# KiCad board DQBSC.kicad_pcb (continued)
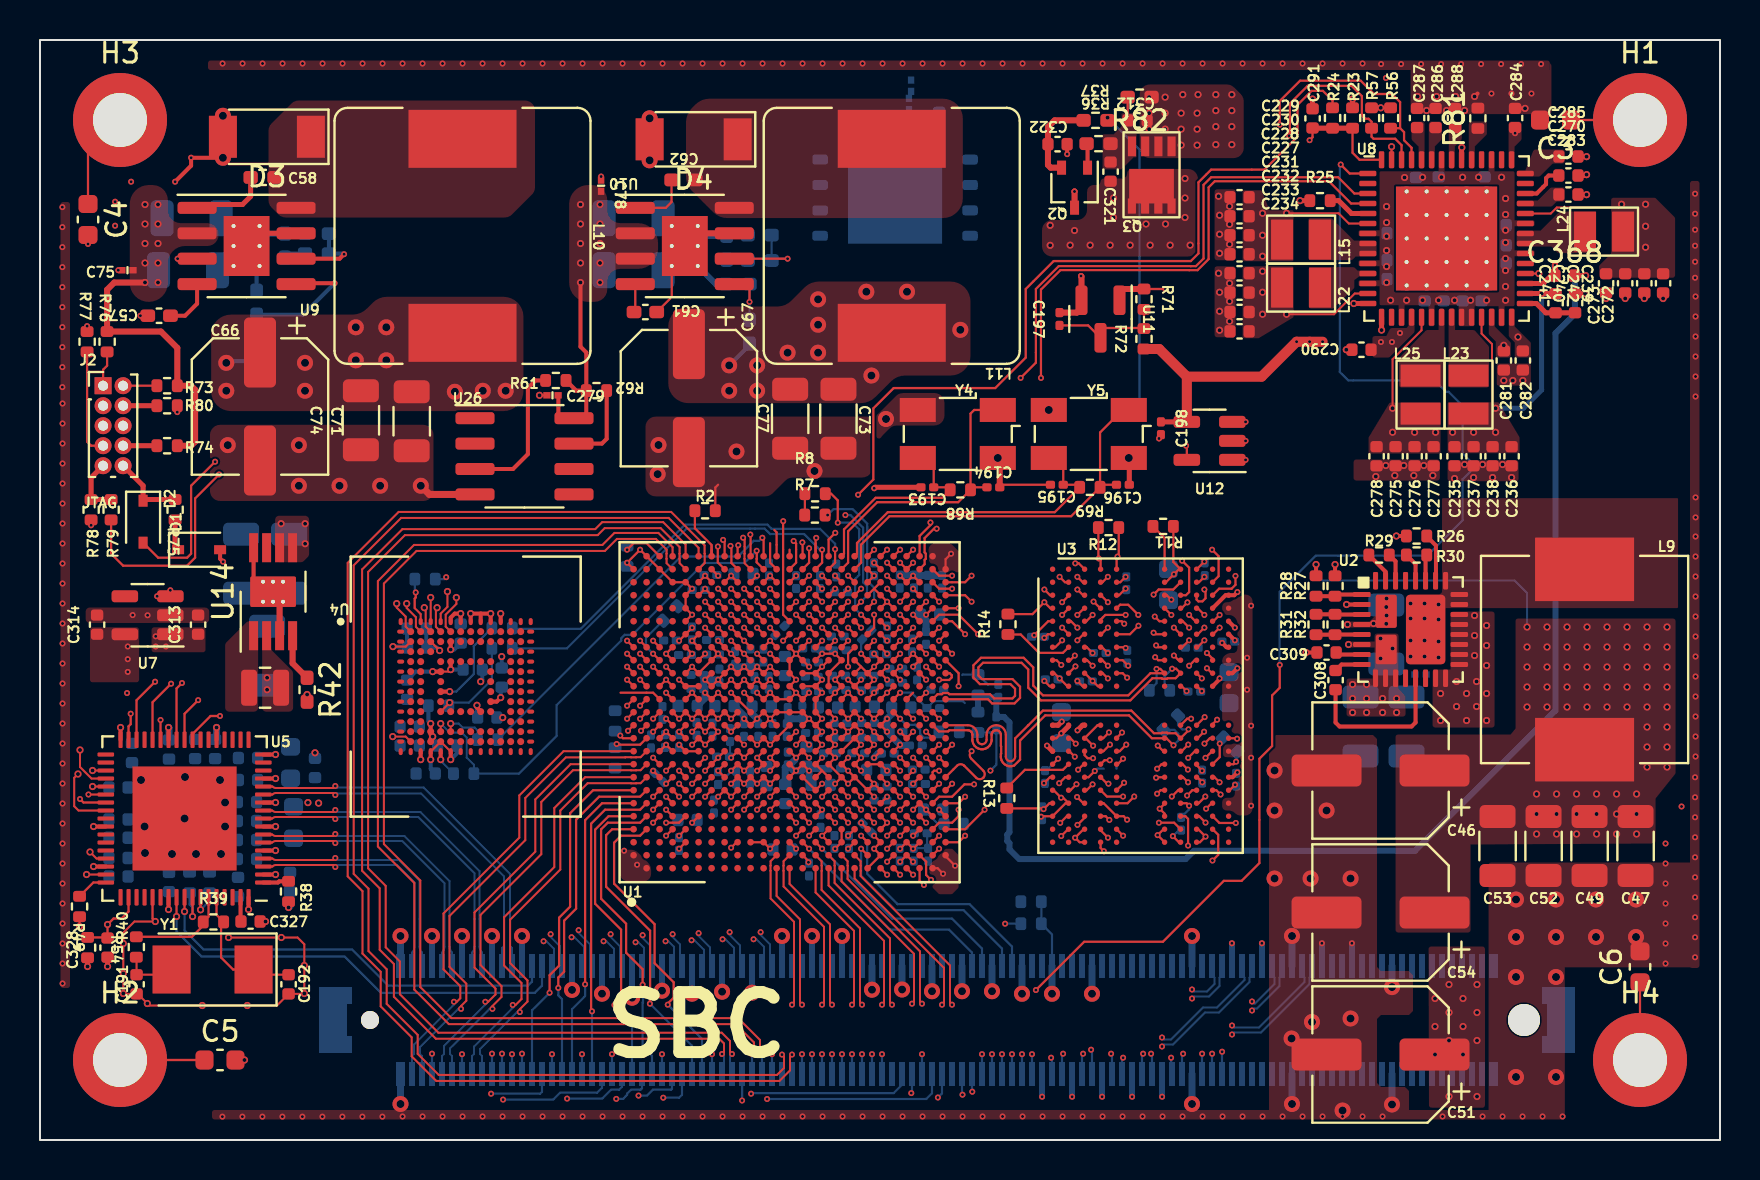
[diagram p0: board, top side]
## Nets (continued)
GND: C3.2 C4.2 C5.2 C6.2 C7.2 C11.1 C14.2 C15.1 C16.2 C46.2 C47.2 C48.1 C49.2 C50.1 C51.2 C52.2 C53.2 C54.2 C55.1 C56.1 C57.2 C59.1 C60.2 C61.2 C63.2 C64.2 C66.2 C67.2 C71.2 C72.1 C73.2 C74.2 C75.1 C76.1 C77.2 C78.1 C79.1 C83.2 C84.2 C85.2 C86.2 C87.2 C89.2 C90.2 C91.2 C92.1 C93.1 C94.1 C95.1 C96.1 C97.2 C100.2 C101.2 C102.2 C104.2 C105.2 C106.2 C108.1 C109.2 C110.1 C111.2 C112.1 C114.1 C115.1 C116.1 C117.2 C118.2 C120.2 C121.2 C122.2 C123.2 C124.2 C128.2 C130.2 C131.2 C132.2 C133.2 C134.2 C139.2 C166.2 C167.1 C169.2 C170.2 C171.1 C172.2 C173.1 C174.2 C175.1 C176.2 C177.1 C178.2 C179.1 C181.1 C182.2 C183.2 C184.2 C185.2 C186.2 C187.2 C188.2 C189.2 C190.2 C191.2 C192.2 C193.2 C194.2 C195.2 C196.2 C197.2 C198.2 C199.1 C200.2 C201.1 C202.2 C203.1 C204.2 C205.1 C206.2 C207.1 C208.2 C209.1 C210.2 C211.1 C212.2 C213.2 C214.2 C215.2 C217.2 C218.2 C227.2 C228.2 C229.2 C230.2 C231.2 C232.2 C233.2 C234.2 C235.2 C236.2 C237.2 C238.2 C239.2 C240.2 C241.2 C242.2 C243.2 C244.2 C245.2 C246.1 C247.1 C248.2 C249.1 C250.2 C251.1 C252.2 C254.2 C257.1 C258.1 C259.1 C260.1 C261.1 C262.1 C263.1 C264.1 C265.1 C266.1 C267.1 C268.1 C269.1 C270.1 C271.1 C273.2 C274.2 C275.2 C276.2 C277.2 C278.2 C279.2 C281.2 C282.2 C283.2 C284.2 C285.1 C286.1 C287.1 C288.1 C290.2 C291.2 C292.2 C293.1 C294.1 C296.1 C297.1 C298.1 C299.1 C300.1 C301.1 C302.2 C303.2 C304.2 C306.2 C307.2 C309.2 C310.2 C311.2 C313.2 C314.2 C315.2 C318.2 C319.2 C320.2 C322.2 C323.2 C324.2 C325.2 C326.2 C327.1 C328.2 C329.2 C330.2 C331.2 C332.2 C333.2 C334.2 C335.2 C336.2 C337.2 C338.2 C339.2 C340.2 C341.2 C342.2 C343.2 C344.2 C345.1 C346.1 C347.1 C348.1 C349.2 C350.2 C351.1 C352.1 C354.2 C357.2 C358.2 C359.2 C360.1 C361.1 C362.1 C363.2 C364.2 C365.2 C366.1 C367.2 C368.2 C369.2 D3.2 D4.2 J1.A1 J1.A4 J1.A7 J1.A10 J1.A13 J1.A18 J1.A21 J1.A24 J1.A27 J1.A30 J1.A33 J1.A36 J1.A39 J1.A42 J1.A45 J1.A48 J1.A51 J1.A54 J1.A57 J1.A60 J1.A63 J1.A66 J1.A70 J1.A80 J1.A84 J1.A87 J1.A90 J1.A93 J1.A96 J1.A98 J1.A99 J1.A100 J1.A101 J1.A102 J1.A103 J1.A110 J1.B1 J1.B4 J1.B7 J1.B10 J1.B13 J1.B16 J1.B19 J1.B22 J1.B27 J1.B32 J1.B35 J1.B38 J1.B41 J1.B44 J1.B47 J1.B50 J1.B53 J1.B56 J1.B59 J1.B62 J1.B65 J1.B68 J1.B71 J1.B74 J1.B77 J1.B80 J1.B90 J1.B98 J1.B99 J1.B100 J1.B101 J1.B102 J1.B103 J1.B110 J2.3 J2.5 Q2.3 R2.2 R3.2 R4.2 R9.1 R10.1 R22.2 R25.1 R27.2 R35.2 R38.2 R41.2 R42.2 R47.2 R48.2 R59.1 R60.1 R66.1 R70.2 R77.1 R78.1 R80.1 R81.2 U1.A2 U1.A24 U1.AA5 U1.AA16 U1.AA21 U1.AB2 U1.AB9 U1.AB11 U1.AB18 U1.AB24 U1.AC4 U1.AC19 U1.AC22 U1.AD1 U1.AD7 U1.AD9 U1.AD11 U1.AD13 U1.AD16 U1.AD25 U1.AE2 U1.AE5 U1.AE21 U1.AE24 U1.B1 U1.B25 U1.C8 U1.C10 U1.C13 U1.C15 U1.C24 U1.D10 U1.D13 U1.D15 U1.D23 U1.E4 U1.E10 U1.E13 U1.E14 U1.E16 U1.E19 U1.E20 U1.E21 U1.E22 U1.E23 U1.F10 U1.F13 U1.F14 U1.F16 U1.G9 U1.G10 U1.G13 U1.G17 U1.G18 U1.G24 U1.H8 U1.H9 U1.H10 U1.H12 U1.H13 U1.H17 U1.H18 U1.J3 U1.J8 U1.J11 U1.J12 U1.J13 U1.J14 U1.J17 U1.J18 U1.J19 U1.K8 U1.K11 U1.K13 U1.K17 U1.K18 U1.K23 U1.L8 U1.L11 U1.L14 U1.L17 U1.M8 U1.M11 U1.M14 U1.M17 U1.N3 U1.N12 U1.N14 U1.N15 U1.N16 U1.N17 U1.N18 U1.P6 U1.P8 U1.P11 U1.P14 U1.P17 U1.P18 U1.P23 U1.R7 U1.T3 U1.T4 U1.T9 U1.T10 U1.T11 U1.T12 U1.T13 U1.T14 U1.U8 U1.U9 U1.U15 U1.U16 U1.U18 U1.V4 U1.V8 U1.V16 U1.V17 U1.V23 U1.W1 U1.W7 U1.W8 U1.W9 U1.W10 U1.W11 U1.W12 U1.W13 U1.W14 U1.W15 U1.W16 U1.W22 U1.W25 U1.Y2 U1.Y3 U1.Y4 U1.Y5 U1.Y7 U1.Y9 U1.Y11 U1.Y13 U1.Y15 U1.Y17 U1.Y19 U1.Y21 U1.Y22 U1.Y23 U1.Y24 U2.4 U2.15 U2.16 U2.17 U2.18 U2.19 U2.20 U2.21 U2.22 U2.P1 U3.A3 U3.A10 U3.C1 U3.C5 U3.C8 U3.C12 U3.D2 U3.D4 U3.D9 U3.D11 U3.E1 U3.E5 U3.E8 U3.E12 U3.G1 U3.G3 U3.G5 U3.G8 U3.G10 U3.G12 U3.J1 U3.J3 U3.J10 U3.J12 U3.K2 U3.K4 U3.K9 U3.K11 U3.N2 U3.N4 U3.N9 U3.N11 U3.P1 U3.P3 U3.P10 U3.P12 U3.T1 U3.T3 U3.T5 U3.T8 U3.T10 U3.T12 U3.V1 U3.V5 U3.V8 U3.V12 U3.W2 U3.W4 U3.W9 U3.W11 U3.Y1 U3.Y5 U4.A6 U4.A7 U4.A8 U4.A9 U4.A10 U4.A11 U4.C4 U4.N2 U4.N5 U4.P4 U4.P6 U5.56 U5.69 U6.4 U6.9 U7.2 U8.14 U8.15 U8.32 U8.48 U8.57 U9.7 U9.9 U10.7 U10.9 U11.2 U12.1 U12.2 U12.3 U14.3 U14.8 U26.4 Y4.2 Y4.4 Y5.2 Y5.4
VBAT: C285.2 U8.42
VDD_1V: C314.1 C331.1 C332.1 C333.1 FB4.1 U5.17 U5.34 U7.5
VDD_1V8: C166.1 C167.2 C182.1 C183.1 C184.1 C185.1 C186.1 C217.1 C218.1 C275.1 C276.1 C277.1 C278.1 C292.1 C293.2 C294.2 L25.2 R15.2 R18.2 R37.1 R83.2 U3.F1 U3.F12 U3.G4 U3.G9 U3.T4 U3.T9 U3.U1 U3.U12 U4.C6 U4.M4 U4.N4 U4.P3 U4.P5 U8.19
VDD_ARM_0V9: C66.1 C71.1 C74.1 C83.1 C84.1 C87.1 C89.1 C90.1 C92.2 C93.2 C94.2 C95.2 C96.2 L10.2 R21.1 U1.G14 U1.G15 U1.G16 U1.H14 U1.H15 U1.H16 U1.J15 U1.J16 U1.K15 U1.K16 U1.L15 U1.L16 U1.M15 U1.M16
VDD_DRAM_0V9: C105.1 C106.1 C108.2 C170.1 C171.2 C172.1 C173.2 C174.1 C175.2 C176.1 C177.2 C178.1 C179.2 C190.1 C199.2 C239.1 C240.1 C241.1 C242.1 C319.1 C320.1 C345.2 C346.2 L24.2 U1.U10 U1.U11 U1.U12 U1.U13 U1.U14 U1.V9 U1.V10 U1.V11 U1.V12 U1.V13 U1.V14 U1.V15 U1.Y6 U1.Y8 U1.Y10 U1.Y16 U1.Y18 U1.Y20 U8.38
VDD_GPU_0V9: C104.1 C128.1 C130.1 C131.1 C132.1 C169.1 C227.1 C228.1 C229.1 C230.1 L15.2 U1.J9 U1.J10 U1.K9 U1.K10 U1.L9 U1.L10 U1.M9 U1.M10 U8.6
VDD_PHY_0V9: C290.1 C349.1 C350.1 C351.2 C352.2 C359.1 C360.2 C361.2 C362.2 C363.1 C364.1 C365.1 C366.2 U1.C11 U1.C12 U1.D11 U1.D12 U1.E11 U1.E12 U1.E17 U1.E18 U1.F17 U1.F18 U1.F19 U1.F22 U1.F23 U1.G22 U1.G23 U1.U3 U1.U4 U1.V3 U8.18
VDD_PHY_1V8: C281.1 C367.1 C369.1 U1.C18 U1.D17 U1.D18 U1.P2 U8.26
VDD_PHY_3V3: C139.1 C283.1 C337.1 C338.1 U1.F11 U1.F12 U1.G11 U1.G12 U1.H23 U1.J23 U8.39
VDD_SNVS_0V9: C284.1 U1.R18 U8.43
VDD_SOC_0V9: C67.1 C73.1 C77.1 C85.1 C86.1 C91.1 C181.2 C246.2 C247.2 C248.1 C249.2 C250.1 C251.2 C252.1 C254.1 C257.2 L11.2 R34.1 U1.K12 U1.L12 U1.L13 U1.M12 U1.M13 U1.N13 U1.P12 U1.P13 U1.P15 U1.P16 U1.R8 U1.R9 U1.R10 U1.R11 U1.R12 U1.R13 U1.R14 U1.R15 U1.R16 U1.T8 U1.T17
VDD_VPU_0V9: C7.1 C97.1 C100.1 C101.1 C102.1 C231.1 C232.1 C233.1 C234.1 L22.2 U1.N8 U1.N9 U1.N10 U1.P9 U1.P10 U8.13
VDDA_1V8: C114.2 C115.2 C116.2 C117.1 C118.1 C282.1 U1.AA11 U1.K14 U1.N11 U1.R17 U1.T15 U1.T16 U1.U17 U1.U23 U1.W17 U1.W23 U1.W24 U8.28
VIN: C48.2 C50.2 C51.1 C55.2 C56.2 J1.A104 J1.A105 J1.A106 J1.A107 J1.A108 J1.A109 J1.B104 J1.B105 J1.B106 J1.B107 J1.B108 J1.B109 U2.6 U2.9 U2.10 U2.11 U2.P2
/IO/ENET_2.5V_A: C274.1 C310.1 C311.1 C329.1 FB2.2 U5.2 U5.8 U5.11
/IO/LED0: J1.A14 U5.60
/IO/LED1: J1.A15 U5.59
/IO/XTAL1: R39.1 R40.1 U5.63
/IO/XTAL2: C192.1 R39.2 U5.64 Y1.1
/MPU/25MHZ_I: C193.1 R68.2 U1.U25 Y4.3
/MPU/25MHZ_O: C194.1 R68.1 U1.U24 Y4.1
/MPU/27MHZ_I: C195.1 R69.2 U1.V25 Y5.3
/MPU/27MHZ_O: C196.1 R69.1 U1.V24 Y5.1
/MPU/RTC_CLK: U1.V22 U12.5
/MPU/RTC_nRST: R71.1 U1.W19 U11.1
/POWER/PMIC_ON: C291.1 R23.1 R24.2 U8.56 U9.3
BOOT_MODE0: U1.W6
BOOT_MODE1: U1.V6
BT_DEV_WAKE: U1.G21
BT_HOST_WAKE: U1.M20
CLK1_N: R6.1 U1.T23
CLK1_P: R6.2 U1.R23
CLK2_N: R5.1 U1.U22
CLK2_P: R5.2 U1.T22
DRAM_CA0_A: U1.AD17 U3.H2
DRAM_CA0_B: U1.AE8 U3.R2
DRAM_CA1_A: U1.AE16 U3.J2
DRAM_CA1_B: U1.AE9 U3.P2
DRAM_CA2_A: U1.AD20 U3.H9
DRAM_CA2_B: U1.AC7 U3.R9
DRAM_CA3_A: U1.AE20 U3.H10
DRAM_CA3_B: U1.AE7 U3.R10
DRAM_CA4_A: U1.AD19 U3.H11
DRAM_CA4_B: U1.AE6 U3.R11
DRAM_CA5_A: U1.AE19 U3.J11
DRAM_CA5_B: U1.AD6 U3.P11
DRAM_CKA_N: R63.2 U1.AE14 U3.J9
DRAM_CKA_P: R63.1 U1.AD14 U3.J8
DRAM_CKB_N: R64.2 U1.AE12 U3.P9
DRAM_CKB_P: R64.1 U1.AD12 U3.P8
DRAM_CKE0_A: U1.AC16 U3.J4
DRAM_CKE0_B: U1.AD10 U3.P4
DRAM_CKE1_A: U1.AE17 U3.J5
DRAM_CKE1_B: U1.AE10 U3.P5
DRAM_DM0: U1.AD23 U3.C3
DRAM_DM1: U1.AB20 U3.C10
DRAM_DM2: U1.AD3 U3.Y3
DRAM_DM3: U1.AB6 U3.Y10
DRAM_DQ0: U1.AE23 U3.B2
DRAM_DQ1: U1.AD24 U3.C2
DRAM_DQ2: U1.AE22 U3.E2
DRAM_DQ3: U1.AD22 U3.F2
DRAM_DQ4: U1.AA24 U3.F4
DRAM_DQ5: U1.Y25 U3.E4
DRAM_DQ6: U1.AA25 U3.C4
DRAM_DQ7: U1.AB25 U3.B4
DRAM_DQ8: U1.AB22 U3.B11
DRAM_DQ9: U1.AA22 U3.C11
DRAM_DQ10: U1.AA23 U3.E11
DRAM_DQ11: U1.AA20 U3.F11
DRAM_DQ12: U1.AA18 U3.F9
DRAM_DQ13: U1.AB19 U3.E9
DRAM_DQ14: U1.AA19 U3.C9
DRAM_DQ15: U1.AA17 U3.B9
DRAM_DQ16: U1.AE3 U3.AA2
DRAM_DQ17: U1.AD2 U3.Y2
DRAM_DQ18: U1.AE4 U3.V2
DRAM_DQ19: U1.AD4 U3.U2
DRAM_DQ20: U1.AA2 U3.U4
DRAM_DQ21: U1.Y1 U3.V4
DRAM_DQ22: U1.AA1 U3.Y4
DRAM_DQ23: U1.AB1 U3.AA4
DRAM_DQ24: U1.AB4 U3.AA11
DRAM_DQ25: U1.AA4 U3.Y11
DRAM_DQ26: U1.AA3 U3.V11
DRAM_DQ27: U1.AA6 U3.U11
DRAM_DQ28: U1.AA8 U3.U9
DRAM_DQ29: U1.AB7 U3.V9
DRAM_DQ30: U1.AA7 U3.Y9
DRAM_DQ31: U1.AA9 U3.AA9
DRAM_DQS0_N: U1.AC25 U3.E3
DRAM_DQS0_P: U1.AC24 U3.D3
DRAM_DQS1_N: U1.AC21 U3.E10
DRAM_DQS1_P: U1.AB21 U3.D10
DRAM_DQS2_N: U1.AC1 U3.V3
DRAM_DQS2_P: U1.AC2 U3.W3
DRAM_DQS3_N: U1.AC5 U3.V10
DRAM_DQS3_P: U1.AB5 U3.W10
DRAM_nCS0_A: U1.AE18 U3.H4
DRAM_nCS0_B: U1.AC9 U3.R4
DRAM_nCS1_A: U1.AC18 U3.H3
DRAM_nCS1_B: U1.AD8 U3.R3
DRAM_nRST: R60.2 U1.AB13 U3.T11
DRAM_VREF: C368.1 R67.2 U8.31
DRAMREF: C315.1 C317.2 C318.1 R65.1 R66.2 R67.1 U1.AA14
DSI_CLK_N: J1.A28 U1.C16
DSI_CLK_P: J1.A29 U1.D16
DSI_D0_N: J1.A19 U1.A17
DSI_D0_P: J1.A20 U1.B17
DSI_D1_N: J1.A22 U1.A16
DSI_D1_P: J1.A23 U1.B16
DSI_D2_N: J1.A16 U1.A18
DSI_D2_P: J1.A17 U1.B18
DSI_D3_N: J1.A25 U1.A15
DSI_D3_P: J1.A26 U1.B15
ENET_INT: R49.2 U1.L6 U5.51
ENET_MDC: U1.N20 U5.48
ENET_MDIO: U1.N19 U5.50
ENET_NRST: C328.1 R54.2 U5.53
ENET_RD0: U1.U19 U5.29
ENET_RD1: U1.U21 U5.27
ENET_RD2: U1.U20 U5.26
ENET_RD3: U1.V19 U5.25
ENET_RX_CTL: U1.T21 U5.30
ENET_RXC: U1.T20 U5.32
ENET_TD0: U1.R20 U5.38
ENET_TD1: U1.R21 U5.40
ENET_TD2: U1.R19 U5.41
ENET_TD3: U1.P20 U5.42
ENET_TX_CTL: U1.P19 U5.33
ENET_TXC: U1.T19 U5.37
GBE0_MDI0_N: J1.A11 U5.12
GBE0_MDI0_P: J1.A12 U5.13
GBE0_MDI1_N: J1.A8 U5.9
GBE0_MDI1_P: J1.A9 U5.10
GBE0_MDI2_N: J1.A5 U5.6
GBE0_MDI2_P: J1.A6 U5.7
GBE0_MDI3_N: J1.A2 U5.3
GBE0_MDI3_P: J1.A3 U5.4
GPIO0: J1.B79 U1.T6
GPIO1: J1.B78 U1.T7
GPIO2: J1.B82 U1.R4
GPIO3: J1.B81 U1.P4
GPIO4: J1.B83 U1.P5
GPIO5: J1.B76 U1.P7
GPIO6: J1.B75 U1.N5
GPIO8: J1.B73 U1.N7
GPIO9: J1.B72 U1.M6
GPIO10: J1.B70 U1.M7
GPIO11: J1.B69
GPIO12: J1.B67 U1.L7
GPIO13: J1.B66 U1.K6
GPIO14: J1.B64 U1.K7
GPIO15: J1.B63 U1.J6
HDMI_AUX_N: J1.A56 U1.V2
HDMI_AUX_P: J1.A55 U1.V1
HDMI_CEC: J1.A62 U1.W3
HDMI_HDP: J1.A61 U1.W2
HDMI_REFCLK_N: J1.A46 U1.R1
HDMI_REFCLK_P: J1.A47 U1.R2
HDMI_SCL: J1.A59 U1.R3
HDMI_SDA: J1.A58 U1.P3
HDMI_TX0_N: J1.A50 U1.T2
HDMI_TX0_P: J1.A49 U1.T1
HDMI_TX1_N: J1.A52 U1.U1
HDMI_TX1_P: J1.A53 U1.U2
HDMI_TX2_N: J1.A44 U1.N1
HDMI_TX2_P: J1.A43 U1.N2
HDMI_TX3_N: J1.A40 U1.M2
HDMI_TX3_P: J1.A41 U1.M1
I2C1_SCL: J1.B54 U1.E7
I2C1_SDA: J1.B55 U1.E8
I2C2_SCL: J1.B58 U1.G7
I2C2_SDA: J1.B57 U1.F7
I2C3_SCL: J1.B60 U1.G8
I2C3_SDA: J1.B61 U1.E9
JTAG_nTRS: R79.1 U1.U6
JTAG_TCK: J2.4 R80.2 U1.T5
JTAG_TDI: J2.8 R74.2 U1.W5
JTAG_TDO: J2.6 U1.U5
JTAG_TMS: J2.2 R73.2 U1.V5
LDO_EN: U2.29 U2.32
NAND_DATA0: R15.1 U1.G20 U4.A3
NAND_DATA1: U1.J20 U4.A4
NAND_DATA2: U1.H22 U4.A5
NAND_DATA3: U1.J21 U4.B2
NAND_DATA4: U1.L20 U4.B3
NAND_DATA5: U1.J22 U4.B4
NAND_DATA6: U1.L19 U4.B5
NAND_DATA7: U1.M19 U4.B6
NAND_nCE3: U1.H20
NAND_nREADY: U1.K20
NAND_nWE: U1.K22
NAND_nWP: U1.K21
NORF_CLK: U26.6
NORF_CS: U26.1
NORF_MISO: U26.2
NORF_MOSI: U26.5
NVCC_DRAM_1V1: C109.1 C110.2 C111.1 C112.2 C200.1 C201.2 C202.1 C203.2 C204.1 C205.2 C206.1 C207.2 C208.1 C209.2 C210.1 C211.2 C235.1 C236.1 C237.1 C238.1 C272.1 C296.2 C297.2 C298.2 C299.2 C300.2 C301.2 C302.1 C303.1 C304.1 C306.1 C307.1 C317.1 C323.1 C336.1 C347.2 C348.2 L23.2 R11.2 R12.2 R13.2 R14.2 R65.2 U1.AA10 U1.AA15 U1.AB3 U1.AB8 U1.AB17 U1.AB23 U1.AC3 U1.AC6 U1.AC8 U1.AC14 U1.AC17 U1.AC20 U1.AC23 U1.AD5 U1.AD21 U1.Y12 U1.Y14 U3.A4 U3.A9 U3.AA3 U3.AA5 U3.AA8 U3.AA10 U3.AB3 U3.AB4 U3.AB8 U3.AB9 U3.AB10 U3.B3 U3.B5 U3.B8 U3.B10 U3.D1 U3.D5 U3.D8 U3.D12 U3.F3 U3.F5 U3.F8 U3.F10 U3.H1 U3.H5 U3.H8 U3.H12 U3.K1 U3.K3 U3.K10 U3.K12 U3.N1 U3.R12 U3.U3 U3.U8 U3.U10 U3.W1 U3.W5 U3.W8 U3.W12 U3.Y8 U3.Y12 U8.25 U8.30
NVCC_ENET_2V5: C15.2 C215.1 C339.1 C340.1 C341.1 C342.1 C343.1 C344.1 FB2.1 L1.1 U1.T18 U5.22 U5.28 U5.39 U5.44 U5.58 U14.2
NVCC_SD1_1V8: C213.1 U1.L23 U1.M23
NVCC_SD2: C214.1 U1.N23
NVCC_SNVS_3V3: U1.W18
ONOFF: R7.2 U1.W21
PCIE1_REF_CLKN: J1.B48 U1.K24
PCIE1_REF_CLKP: J1.B49 U1.K25
PCIE1_RXN: J1.B46 U1.H24
PCIE1_RXP: J1.B45 U1.H25
PCIE1_TXN: J1.B42 U1.J24
PCIE1_TXP: J1.B43 U1.J25
PCIE2_REF_CLKN: J1.B39 U1.F25
PCIE2_REF_CLKP: J1.B40 U1.F24
PCIE2_RXN: J1.B36 U1.D25
PCIE2_RXP: J1.B37 U1.D24
PCIE2_TXN: J1.B33 U1.E25
PCIE2_TXP: J1.B34 U1.E24
PMIC_nINT: U1.N6 U8.1
PMIC_ON_REQ: R24.1 U1.V20
PMIC_SCL: R57.2 U1.F8 U8.54
PMIC_SDA: R56.2 U1.F9 U8.53
PMIC_STBY_REQ: U1.V21 U8.4
POR_B: D2.2 R8.2 U1.W20 U8.3
QSPIA_CLE: U1.H21
QSPIA_IO0: U6.5
QSPIA_IO1: U6.2
QSPIA_IO2: U6.3
QSPIA_IO3: U6.7
QSPIA_nSS0 : U1.H19 U6.1
QSPIA_SCK: U6.6
QSPIA_SCLK: U1.G19
SD1_CLK: R16.2 U1.L25
SD1_CMD: R18.1 U1.L24 U4.M5
SD1_D0: U1.M25
SD1_D1: U1.M24
SD1_D2: U1.N25
SD1_D3: U1.P25
SD1_D4: U1.N24
SD1_D5: U1.P24
SD1_D6: U1.R25
SD1_D7: U1.T25
SD1_nRST: R17.2 U1.R24
SD1_STROBE: R19.1 U1.T24
SD2_CLK: U1.L22
SD2_CMD: U1.M22
SD2_D0: U1.N22
SD2_D1: U1.N21
SD2_D2: U1.P22
SD2_D3: U1.P21
SD2_nCD: U1.L21
SD2_nRST: U1.R22
SD2_WP: U1.M21
SPI1_MISO: J1.B31 U1.B4
SPI1_MOSI: J1.B30 U1.A4
SPI1_SCLK: J1.B28 U1.D5
SPI1_SSO: J1.B29 U1.D4
SPI2_MISO: J1.B26 U1.B5
SPI2_MOSI: J1.B25 U1.E5
SPI2_SCLK: J1.B23 U1.C5
SPI2_SSO: J1.B24 U1.A5
TCPC_nINT: U1.F21
UART1_RXD: J1.B15 U1.C7
UART1_TXD: J1.B14 U1.A7
UART2_RXD: J1.B20 U1.B6
UART2_TXD: J1.B21 U1.D6
UART3_RXD: J1.B18 U1.A6
UART3_TXD: J1.B17 U1.B7
UART4_RXD: J1.B51 U1.C6
UART4_TXD: J1.B52 U1.D7
USB1_DN: J1.A32 U1.B14
USB1_DP: J1.A31 U1.A14
USB1_ID1: U1.C14
USB1_RX_N: J1.A38 U1.B12
USB1_RX_P: J1.A37 U1.A12
USB1_SS_SEL: U1.K19
USB1_TX_N: J1.A35 U1.B13
USB1_TX_P: J1.A34 U1.A13
USB1_VBUS: U1.D14
USB2_DN: J1.B3 U1.B10
USB2_DP: J1.B2 U1.A10
USB2_ID1: J1.B11 U1.C9
USB2_RX_N: J1.B9 U1.B8
USB2_RX_P: J1.B8 U1.A8
USB2_TX_N: J1.B6 U1.B9
USB2_TX_P: J1.B5 U1.A9
USB2_VBUS: J1.B12 U1.D9
Net-(C3-Pad1): C3.1 H1.1
Net-(C4-Pad1): C4.1 H3.1
Net-(C5-Pad1): C5.1 H2.1
Net-(C6-Pad1): C6.1 H4.1
Net-(C60-Pad1): C60.1 R20.1
Net-(C64-Pad1): C64.1 R33.1
Net-(C191-Pad1): C191.1 R40.2 Y1.2
Net-(C308-Pad2): C308.2 U2.13
Net-(C312-Pad2): C312.2 C321.2 Q3.4 R36.1 R82.2
Net-(D1-K): D1.1 R75.1
Net-(D2-K): D2.1 J2.10 R75.2
Net-(D3-K): C58.1 D3.1 L10.1 U9.8
Net-(D4-K): C62.1 D4.1 L11.1 U10.8
Net-(J2-Pin_1): J2.1 R76.2
Net-(J2-Pin_7): J2.7 R77.2
Net-(J2-Pin_9): J2.9 R78.2 R79.2
Net-(L9-Pad1): L9.1 U2.23 U2.24 U2.25 U2.P3
Net-(Q2-D): Q2.1 R36.2
Net-(Q2-G): C322.1 Q2.2 R37.2
Net-(R29-Pad2): R29.2 U2.30
Net-(R30-Pad2): R30.2 U2.28
Net-(U1A-MIPI_VDD1): U1.E15 U1.F15
Net-(U1B-MTEST1_/_MTEST1(ALERT_n)_/_MTEST1): U1.AC13
Net-(U1B-MTEST_/_MTEST_/_MTEST): U1.AB14
Net-(U1B-ZQ_/_ZQ_/_ZQ): R59.2 U1.AA13
Net-(U1H-JTAG_MOD): R70.1 U1.U7
Net-(U1H-TEST_MODE): R4.1 U1.V7
Net-(U1J-HDMI_REXT): U1.P1
Net-(U1K-PCIE1_RESREF): R2.1 U1.G25
Net-(U1K-PCIE2_RESREF): R3.1 U1.C25
Net-(U1L-MIPI_DSI_REXT): R41.1 U1.C17
Net-(U1M-USB1_RESREF): R9.2 U1.A11
Net-(U1M-USB2_RESREF): R10.2 U1.B11
Net-(U2-BST): C308.1 U2.8
Net-(U2-FB): R27.1 R28.1 U2.1
Net-(U2-FBL): R31.1 R32.1 U2.5
Net-(U2-ILIM): R30.1 U2.27
Net-(U2-PGOOD): R26.2 U2.26
Net-(U2-SS): C309.1 U2.7
Net-(U2-TON): R29.1 U2.31
Net-(U2-VDD): R31.2 R32.2 U2.3
Net-(U3A-ODT_CA_A): R14.1 U3.G2
Net-(U3A-ODT_CA_B): R13.1 U3.T2
Net-(U3A-ZQ0): R12.1 U3.A5
Net-(U3A-ZQ1): R11.1 U3.A8
Net-(U4-CLK): R16.1 U4.M6
Net-(U4-NRST): R17.1 R83.1 U4.K5
Net-(U4-RCLK): R19.2 U4.H5
Net-(U4-VDDI): C243.1 C244.1 U4.C2
Net-(U5-REF_FILT): C327.2 U5.67
Net-(U5-REF_REXT): R38.1 U5.1
Net-(U5-REFCLK_SEL_0): R47.1 U5.62
Net-(U5-REFCLK_SEL_1): R48.1 U5.61
Net-(U8A-SW1ALX): L15.1 U8.8 U8.9
Net-(U8A-SW1CLX): L22.1 U8.11
Net-(U8A-SW2LX): L23.1 U8.22
Net-(U8A-SW3ALX): L24.1 U8.35 U8.36
Net-(U8A-SW4LX): L25.1 U8.21
Net-(U8B-VHALF): C272.2 C273.1 U8.29
Net-(U8B-VIN3): C270.2 U8.40
Net-(U8C-ICTEST): R25.2 U8.5
Net-(U8C-VCORE): C288.2 U8.49
Net-(U8C-VCOREDIG): C286.2 U8.51
Net-(U8C-VCOREREF): C287.2 U8.52
Net-(U8C-VDDOTP): R81.1 U8.47
Net-(U9-BOOT): C58.2 U9.1
Net-(U9-COMP): C59.2 R20.2 U9.6
Net-(U9-SS): C57.1 U9.4
Net-(U9-VSNS): R21.2 R22.1 U9.5
Net-(U10-BOOT): C62.2 U10.1
Net-(U10-COMP): C63.1 R33.2 U10.6
Net-(U10-SS): C61.1 U10.4
Net-(U10-VSNS): R34.2 R35.1 U10.5
Net-(U11-VDD): C197.1 R71.2 R72.2 U11.3
Net-(U14-VOS): L1.2 U14.1
Net-(U14-VSET): R42.1 U14.4
Net-(U26-~{HOLD}): R62.2 U26.7
Net-(U26-~{WP}): R61.1 U26.3

Pads without a net: J1 221 221.1 221.2 222 222.1 222.2 A64 A65 A67 A68 A69 A71 A72 A73 A74 A75 A76 A77 A78 A79 A81 A82 A83 A85 A86 A88 A89 A91 A92 A94 A95 A97 B84 B85 B86 B87 B88 B89 B91 B92 B93 B94 B95 B96 B97; U1 A3 A19 A20 A21 A22 A23 AA12 AB10 AB12 AB15 AB16 AC10 AC11 AC12 AC15 AD15 AD18 AE11 AE13 AE15 B2 B3 B19 B20 B21 B22 B23 B24 C1 C2 C3 C4 C19 C20 C21 C22 C23 D1 D2 D3 D19 D20 D21 D22 E1 E2 E6 F1 F2 F3 F4 F6 F20 G1 G2 G3 G4 G5 G6 H1 H2 H3 H4 H5 H6 H11 J1 J2 J4 J5 K1 K2 K4 K5 L1 L2 L4 L5 M4 M5 N4; U2 12 14; U3 A1 A2 A11 A12 AA1 AA12 AB1 AB2 AB5 AB11 AB12 B1 B12 G11 K5 K8 N3 N5 N8 N10 N12 R1 R5 R8 U5; U4 A1 A2 A12 A13 A14 B1 B7 B8 B9 B10 B11 B12 B13 B14 C1 C3 C5 C7 C8 C9 C10 C11 C12 C13 C14 D1 D2 D3 D4 D12 D13 D14 E1 E2 E3 E5 E7 E8 E9 E10 E12 E13 E14 F1 F2 F3 F10 F12 F13 F14 G1 G2 G3 G5 G10 G12 G13 G14 H1 H2 H3 H10 H12 H13 H14 J1 J2 J3 J5 J12 J13 J14 K1 K2 K3 K6 K7 K8 K10 K12 K13 K14 L1 L2 L3 L12 L13 L14 M1 M2 M3 M7 M8 M9 M10 M11 M12 M13 M14 N1 N3 N6 N7 N8 N9 N10 N11 N12 N13 N14 P1 P2 P7 P8 P9 P10 P11 P12 P13 P14; U5 15 16 18 19 20 21 23 24 31 35 36 43 45 46 47 52 54 55 57 65 66; U7 4; U8 2 16 33 41 44 46; U14 7

## Via types
v1: diameter 0.3, hole 0.076, TOP to BOT, 1 via
v2: diameter 0.3, hole 0.15, TOP to BOT, 1014 vias
v3: diameter 0.8, hole 0.4, TOP to BOT, 104 vias
v4: diameter 0.36, hole 0.2, TOP to BOT, 382 vias

## Routing (per net, layer and track width the routed paths; a pad name or vN(x,y) marks a point on that pad's centre or on a via; arc(x,y) is an arc through that point)
3.3V_SW: length 30.2
  TOP w0.11: R7.1 38.24,31.26 R8.1
  TOP w0.2: R26.1 v4(67.82,30.2) ; R28.2 v4(63.8,28.77) ; U2.2 v4(65.33,26.77)
  TOP w0.25: U12.4 C198.1 ; R23.2 v4(65.63,52.05)
  TOP w0.5: 57.34,38.17 61.08,38.17 v2(62.83,39.91) v2(63.48,39.91) v2(64.13,39.91) ; 57.34,38.17 55.96,39.55 R72.1 ; 57.34,38.17 U12.4
  BOT w0.1: v4(63.8,28.77) 63.8,28.3 64.13,27.97 73.73,27.97 74.35,27.35 v4(74.35,25.65)
  vias: v4(55.46,52.14) v4(55.46,51.34) v4(55.46,50.54) v4(56.26,52.14) v4(56.26,51.34) v4(56.26,50.54) v4(57.06,51.34) v4(57.06,50.54) v4(57.06,49.74) v4(57.14,52.27) v4(57.86,51.34) v4(57.86,50.54) v4(57.86,49.74) v4(57.9,52.27) v4(58.79,52.27) v4(58.79,51.47) v4(58.79,50.67) v4(58.79,49.77) v4(59.59,52.27) v4(59.59,51.47) v4(59.59,50.67) v4(59.59,49.77) v4(67.33,46.67) v4(67.33,45.87) v4(67.33,45.19) v4(67.33,44.47) v4(67.33,43.67) v4(67.33,42.87) v4(67.53,41.99) v4(68.23,48.12) v4(68.33,41.99) v4(69.13,48.14) v4(69.13,41.99) v4(69.93,41.99) v4(70.07,48.14) v4(70.73,41.99) v4(71.13,48.14) v4(71.53,41.99) v4(71.93,48.14) v4(72.33,41.99) v4(73.08,48.14) v4(73.28,47.07) v4(73.28,46.27) v4(73.28,45.49) v4(73.28,44.87) v4(73.28,44.07) v4(73.28,43.47) v4(73.28,42.67) v4(73.28,41.99) v4(74.35,24.65) v4(74.35,23.65) v4(74.35,22.65) v4(74.35,21.65) v4(74.83,17.3) v4(74.83,16.3) v4(74.83,15.3) v4(75.35,25.65) v4(75.35,24.65) v4(75.35,23.65) v4(75.35,22.65) v4(75.35,21.65) v4(75.83,17.3) v4(75.83,16.3) v4(75.83,15.3) v4(76.35,25.65) v4(76.35,24.65) v4(76.35,23.65) v4(76.35,22.65) v4(76.35,21.65) v4(76.83,17.3) v4(76.83,16.3) v4(76.83,15.3) v4(77.35,25.65) v4(77.35,24.65) v4(77.35,23.65) v4(77.35,22.65) v4(77.35,21.65) v4(77.83,17.3) v4(77.83,16.3) v4(77.83,15.3) v4(78.35,25.65) v4(78.35,24.65) v4(78.35,23.65) v4(78.35,22.65) v4(78.35,21.65) v4(78.83,17.3) v4(78.83,16.3) v4(78.83,15.3) v4(79.35,25.65) v4(79.35,24.65) v4(79.35,23.65) v4(79.35,22.65) v4(79.35,21.65) v4(79.83,17.3) v4(79.83,16.3) v4(79.83,15.3) v4(80.35,25.65) v4(80.35,24.65) v4(80.35,23.65) v4(80.35,22.65) v4(80.35,21.65) v4(80.35,20.65) v4(80.35,19.65) v4(80.35,18.65) v4(81.35,25.65) v4(81.35,24.65) v4(81.35,23.65) v4(81.35,22.65) v4(81.35,21.65) v4(81.35,20.65) v4(81.35,19.65) v4(81.35,18.65)
3.3V_SW_DELAYED: length 53.8
  TOP w0.1: v4(20.53,23.52) 20.43,23.42 U4.F5
  TOP w0.11: U1.F5 v2(32.6,15.86) ; 41.38,15.54 v2(41.05,15.86) ; U1.R5 v2(39.1,16.51) U1.R6 ; U8.55 v4(67.58,49.66) ; U1.E3 v2(31.95,14.56) ; R56.1 R57.1 ; 34.88,17.49 v2(34.55,17.16) U1.H7 v2(33.9,17.16) ; U1.L18 v2(36.5,24.96) U1.M18 ; U1.K3 U1.L3 v2(36.5,14.56) U1.M3 ; R49.1 v4(1.98,10.67) ; U1.D8 v2(31.3,17.81)
  TOP w0.2: 27.31,37.47 26.81,37.47 R61.2 ; 27.31,37.47 27.32,37.47 27.32,39.37 27.02,39.67 v4(27.02,42.88) ; 27.31,37.47 27.31,36.32 27.08,36.09 U26.8 26.19,36.09 26.17,36.07 25.92,36.33 25.92,37.22 C279.1 ; U4.F5 v4(19.63,23.42) ; D1.2 9,29.06 v2(9.15,28.91) ; v4(23.03,22.12) 22.83,21.92 U4.J10 ; U4.K9 22.03,21.44 21.85,21.62 v4(21.85,21.73) ; U4.E6 v4(20.53,23.52)
  TOP w0.25: R54.1 v4(2.38,8.67)
  TOP w0.3: v4(5.25,42.88) 3.71,42.88 3.35,42.51 R76.1 6.04,40.42 6.86,39.6 R73.1 7.55,37.71 7.75,37.51 7.75,34.91 7.55,34.71 R74.1
  S1 w0.5: v4(57.25,48.08) 65.99,48.08 v4(67.58,49.66) 67.58,51.07 v4(67.04,51.61)
  BOT w0.11: v2(36.5,24.96) 36.77,25.23 C134.1
  BOT w0.2: C188.1 21.83,21.17 21.83,21.72 v4(21.85,21.73) ; C187.1 23.03,22.59 v4(23.03,22.12) ; C189.1 18.78,23.42 v4(19.63,23.42) ; C245.1 v4(20.53,23.52)
  vias: v2(5.78,25.18) v2(5.78,24.68) v2(5.85,27.19) v2(6.29,24.68) v2(6.52,27.49) v4(5.25,46.78) v4(5.25,45.8) v4(5.25,44.83) v4(5.25,43.85) v4(5.9,46.78) v4(5.9,45.8) v4(5.9,44.83) v4(5.9,43.85) v4(5.9,42.88) v4(12.05,30.81) v4(13.25,30.81) v4(13.25,29.81) v4(27.02,46.78) v4(27.02,45.8) v4(27.02,44.83) v4(27.02,43.85) v4(28,46.78) v4(28,45.8) v4(28,44.83) v4(28,43.85) v4(28,42.88) v4(50.51,45.73) v4(50.51,44.73) v4(51.51,44.74) v4(51.73,45.48) v4(52.51,44.74) v4(53.51,44.74) v4(53.68,47.1) v4(53.68,46.13) v4(54.51,44.74) v4(55.3,45.8) v4(55.51,44.74) v4(56.27,45.8) v4(56.51,44.74) v4(57.25,47.1) v4(57.25,46.13) v4(57.51,44.74)
/IO/VDD1A: length 1.8
  TOP w0.2: U5.5 v4(11.78,14.47) ; U5.14 v4(11.78,18.07) ; U5.68 v4(10.43,11.52)
/IO/VDDMDIO: length 0.6
  TOP w0.2: U5.49 v4(2.68,13.67)
/MPU/VDDA_0P9: length 1.1
  TOP w0.11: U1.V18 40.4,24.31 v2(40.4,23.66)
GND: length 285.9
  TOP w0.1: U4.P6 U4.N5 U4.P4 ; U4.N2 18.28,20.17 v4(17.63,20.17) ; U8.32 v4(74.94,43.32) ; v4(9.43,10.12) v4(12.07,10.12) 12.88,10.12 13.22,9.79 v4(13.22,8.72) v4(13.22,7.32) 13.2,7.3 C192.2 11.85,6.72 v4(10.37,6.72) v4(8.12,6.72) 5.47,6.72 v4(5.37,6.82) 4.89,7.3 C191.2 4.19,7.3 v4(4.17,7.32) v4(4.17,8.32) v4(4.17,9.82) 4.17,10.37 4.72,10.92 v4(5.77,10.92) ; C279.2 v4(24.97,37.23)
  TOP w0.11: v2(43,20.41) U1.AB11 v2(43.65,20.41) ; v2(34.55,25.61) v2(35.2,24.96) U1.K18 ; v2(43,28.86) U1.AB24 v2(43.65,28.86) ; v2(51.11,24.98) 50.76,24.64 U3.G1 ; 41.38,13.59 U1.Y2 v2(41.7,14.56) U1.Y3 v2(41.7,15.21) ; U3.D9 57.08,26.59 v2(57.37,26.88) ; U1.T14 v2(39.75,22.36) U1.U15 v2(39.75,23.01) U1.U16 ; U3.K2 51.37,22.69 v2(50.98,23.08) 50.72,23.34 U3.J1 ; U1.N12 U1.M11 v2(36.5,19.76) U1.L11 v2(35.85,19.76) U1.K11 ; U1.K17 v2(35.2,24.31) v2(34.55,24.96) ; 41.38,19.44 v2(41.7,19.76) 41.38,20.09 ; v2(57.55,21.06) 57.35,21.06 U3.N9 ; U3.P1 50.82,20.09 v2(51.06,20.33) ; U3.V5 v2(54.2,17.86) ; v2(58.2,20.41) 57.88,20.09 U3.P10 ; U3.V12 59.48,17.49 v2(59.75,17.76) ; U1.U8 U1.T9 v2(39.75,19.11) U1.T10 v2(39.75,19.76) U1.T11 v2(39.75,20.41) U1.T12 v2(39.75,21.06) U1.T13 ; U1.U8 v2(40.4,17.81) U1.V8 ; U1.U8 v2(39.75,17.81) ; U3.E8 55.97,25.94 v2(55.74,26.17) ; v4(5.77,10.92) 5.63,11.06 U5.56 ; U3.J10 v2(58.09,23.08) ; U1.N3 v2(37.8,14.56) ; 33.9,32.76 33.76,32.62 R2.2 ; U1.G24 v2(33.9,28.21) ; v2(54.28,27.57) 53.95,27.24 U3.C5 ; 34.88,21.39 v2(34.55,21.06) U1.H13 v2(33.9,21.06) U1.G13 v2(33.25,21.06) U1.F13 v2(32.6,21.06) U1.E13 v2(31.95,21.06) U1.D13 ; U3.T5 53.88,18.79 v2(54.15,19.06) ; v2(39.1,17.81) U1.R7 U1.P8 ; U1.AD1 44.88,13.59 v2(45.15,13.31) ; U1.A24 v2(29.35,28.86) v2(30,29.51) U1.B25 U1.C24 U1.D23 U1.E23 v2(32.6,27.56) U1.E22 U1.E21 v2(32.6,26.26) U1.E20 ; 41.38,17.49 v2(41.7,17.16) ; 41.38,17.49 v2(41.7,17.81) ; 41.38,17.49 U1.V8 ; U1.C15 v2(31.3,23.01) U1.D15 ; v2(43,23.66) U1.AA16 v2(43,23.01) ; C194.2 48.11,32.76 C195.2 ; v2(51.11,26.25) 51.43,26.58 U3.D2 ; v2(41.7,17.81) 41.38,18.14 ; v2(41.7,17.81) U1.Y7 ; U1.C10 v2(31.3,19.76) U1.D10 ; U1.E14 v2(32.6,22.36) U1.F14 ; U3.G8 55.9,24.64 v2(55.81,24.73) ; U1.V8 v2(40.4,18.46) U1.U9 v2(40.4,19.11) ; 41.38,23.34 v2(41.7,23.01) 41.38,22.69 ; 41.38,23.34 v2(41.7,23.66) U1.Y17 v2(41.7,24.31) ; 41.38,23.34 41.05,23.66 ; v2(55.85,17.31) 56.03,17.49 U3.V8 ; U1.T3 v2(39.1,15.21) U1.T4 ; v2(50.05,16.16) 50.08,16.19 U3.Y1 51.28,16.84 U3.W2 51.15,17.11 v2(51.05,17.11) 50.68,17.49 U3.V1 ; U1.AD11 v2(44.3,20.41) ; v2(37.8,22.36) U1.P14 v2(38.45,22.36) ; v2(37.8,22.36) U1.N15 v2(37.8,23.01) U1.N16 U1.N17 v2(37.8,24.31) ; v2(37.8,22.36) U1.N14 U1.M14 v2(36.5,22.36) U1.L14 v2(35.85,22.36) ; U10.9 31.59,42.15 C61.2 ; v2(56.57,27.02) 56.34,27.24 U3.C8 ; U3.G3 52.34,24.64 v2(52.63,24.35) ; v2(57.45,16.71) 57.33,16.84 U3.W9 ; U1.V23 v2(40.4,28.21) ; U1.AA21 v2(42.35,26.91) ; v2(42.35,26.91) U1.Y22 41.7,27.56 ; v2(42.35,26.91) U1.Y21 ; v2(38.45,23.66) U1.P17 v2(37.8,24.31) ; U3.A3 51.94,28.83 v2(51.76,28.83) ; v2(58.3,16.56) 58.58,16.84 U3.W11 ; U1.AD13 v2(44.95,21.06) ; U1.K23 v2(35.85,28.21) ; U1.AB9 v2(43,19.11) ; v2(38.45,19.76) U1.P11 v2(37.8,19.76) ; U1.V4 v2(40.4,15.21) ; U3.K4 52.89,22.69 v2(52.63,22.95) 52.24,23.34 U3.J3 ; 41.7,27.56 U1.Y23 ; 41.7,27.56 41.38,27.24 ; v2(34.55,14.61) 34.83,14.89 34.88,14.89 ; v2(33.9,24.31) U1.G18 ; v2(33.9,24.31) U1.H17 ; v2(33.9,24.31) U1.G17 U1.F16 v2(32.6,23.66) U1.E16 ; U1.AC4 v2(43.65,15.21) ; v2(58.1,18.46) 57.83,18.74 U3.T10 ; v2(58.22,24.98) 57.87,24.64 U3.G10 ; U3.K9 57.08,22.69 v2(57.33,22.44) ; U3.G5 54.24,24.64 v2(54.28,24.6) ; U1.K13 v2(34.55,22.36) ; v2(43,13.91) U1.AB2 v2(43.65,13.91) ; U1.L17 v2(35.85,24.31) ; 41.05,23.66 U1.V17 ; 41.05,23.66 U1.V16 ; v2(33.25,18.46) U1.G9 v2(33.9,19.11) U1.H10 ; U1.Y13 v2(41.7,21.06) 41.38,21.39 ; v2(34.55,17.81) 34.88,18.14 v2(35.2,17.81) U1.K8 v2(35.85,17.81) U1.L8 v2(36.5,17.81) U1.M8 ; U1.AE2 45.28,14.19 v2(45.75,13.71) ; v2(52.68,26.92) 53.01,26.59 U3.D4 ; U3.A10 57.84,28.54 v2(58.22,28.92) ; U1.AE21 v2(45.93,26.59) ; U1.AA5 v2(43,15.86) ; U1.AE24 45.28,29.04 v2(45.55,29.31) ; 41.38,20.74 v2(41.7,20.41) U1.Y11 ; U1.AD16 v2(44.3,23.66) ; U1.AD9 v2(44.3,19.11) ; v2(59.8,18.91) 59.68,18.79 U3.T12 ; 41.38,18.79 U1.Y9 v2(42.35,18.46) ; U1.Y19 v2(42.35,24.96) ; v2(37.8,24.31) U1.N18 ; v2(37.8,24.31) U1.P18 v2(38.45,24.96) ; U1.H9 v2(33.9,18.46) U1.H8 ; U1.AC19 v2(43.65,24.96) U1.AB18 ; v2(51.9,18.51) 52.18,18.79 U3.T3 ; U3.N4 52.88,20.74 U3.P3 52.28,20.09 v2(52.66,19.72) ; 41.38,29.19 v2(41.7,29.51) ; U1.U18 v2(40.4,24.96) ; U1.P6 v2(38.45,16.51) ; U1.Y5 v2(42.35,15.86) U1.Y4 ; U3.T8 56.08,18.79 v2(55.85,18.56) ; U1.Y15 v2(41.7,22.36) 41.38,22.04 ; v2(32.6,25.61) U1.E19 v2(31.95,24.96) ; v2(54.35,16.01) 54.18,16.19 U3.Y5 53.18,16.84 U3.W4 ; 34.88,20.74 v2(34.55,20.41) U1.H12 ; U1.C8 v2(30.65,18.46) ; U1.AE5 v2(44.95,16.51) ; U1.AD7 v2(44.95,17.81) ; U1.E4 v2(31.95,15.21) ; U1.M17 v2(36.5,24.31) ; v2(31.95,19.76) U1.E10 U1.F10 ; U3.P12 59.83,20.09 v2(59.85,20.06) ; v2(33.9,24.96) U1.H18 v2(34.55,24.31) 34.88,23.99 ; v2(58.85,21.01) 58.63,20.79 U3.N11 ; v2(54.21,25.82) 54.09,25.94 U3.E5 ; U1.P23 v2(38.45,28.21) ; U1.Y24 v2(41.7,28.86) ; v2(49.71,25.24) 50.41,25.94 U3.E1 ; v2(50.22,27.52) 50.5,27.24 U3.C1 ; U1.C13 v2(30.65,21.06) ; 34.88,20.09 v2(35.2,19.76) ; U1.AC22 v2(43.65,27.56) ; U3.T1 v2(50.9,19.06) ; U4.C4 v4(19.98,24.47)